# KiCad board SUMEC_MK_V.kicad_pcb (continued)
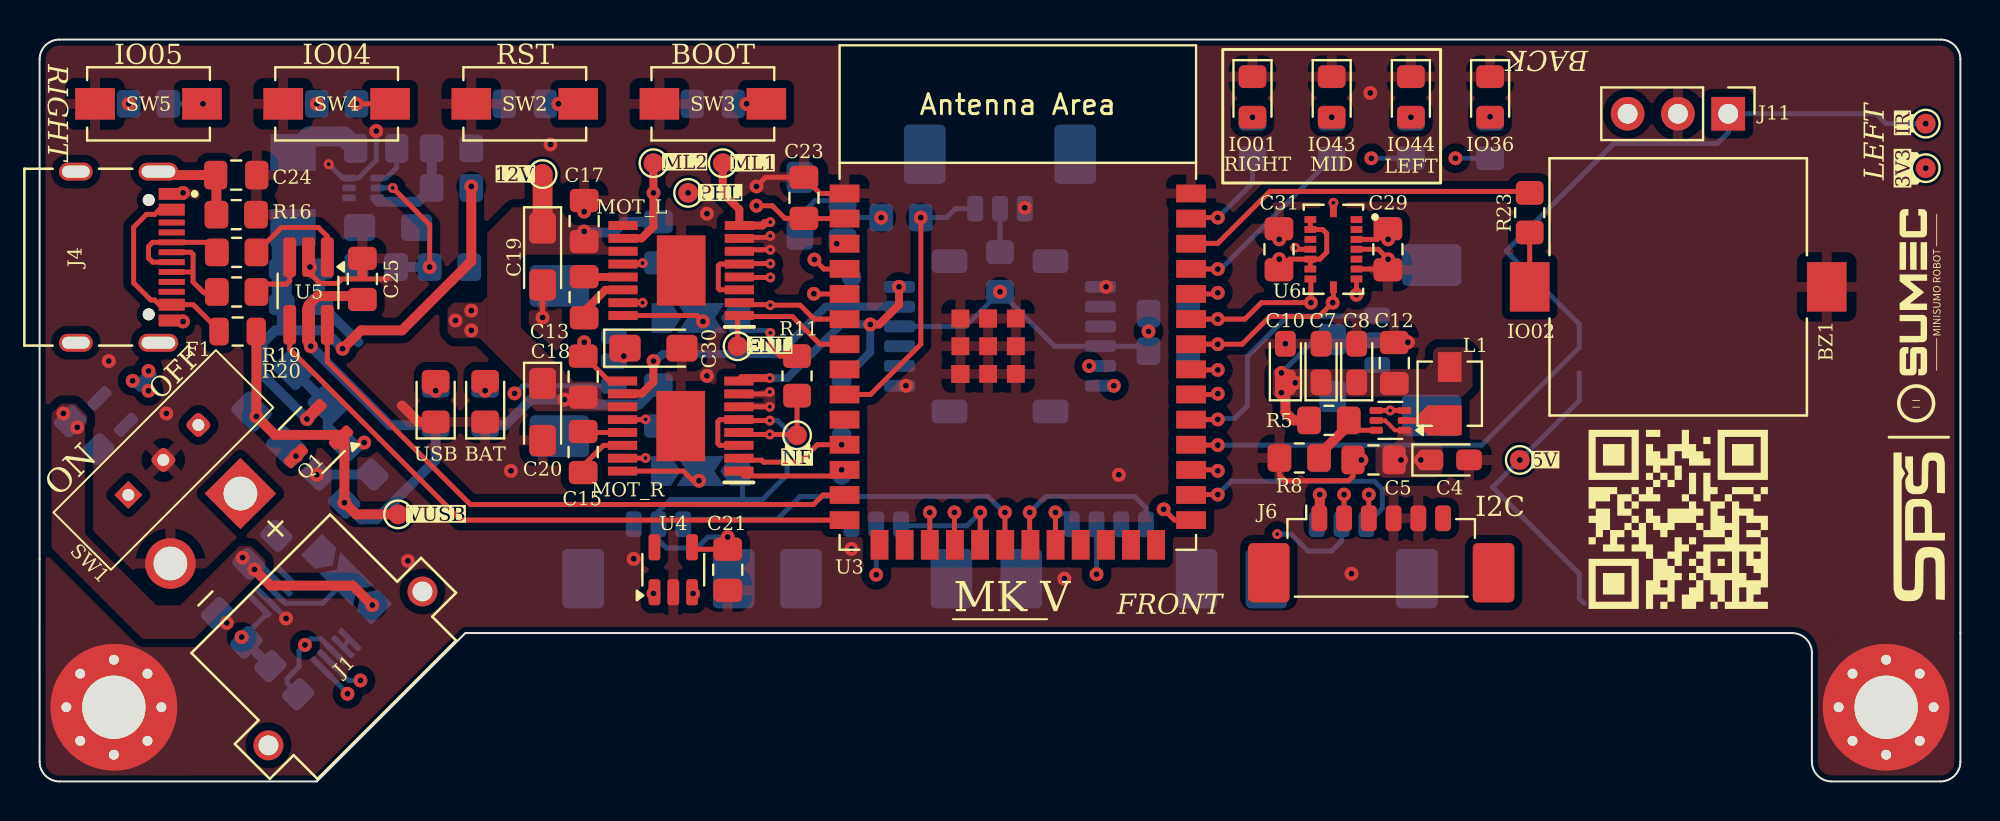
[diagram p0: board, top side]
## Footprints (pads in the part's own frame, mm; a bottom-side part is the same pattern mirrored in y, then rotated)
BUZZER_CUI_CPT
  rect 2.5x2 smd: 1(0,7.5) 2(0,-7.5)
C_0805_2012Metric_Pad1.18x1.45mm_HandSolder
  rrect 1.175x1.45 smd: 1(-1.038,0) 2(1.038,0)
CP_EIA-2012-12_Kemet-R_Pad1.30x1.05mm_HandSolder
  rrect 1.3x1.05 smd: 1(-0.975,0) 2(0.975,0)
CP_EIA-3216-18_Kemet-A_Pad1.58x1.35mm_HandSolder
  rrect 1.575x1.35 smd: 1(-1.438,0) 2(1.438,0)
Custom_SPDT_2.5_Switch
  rect 1x1 hole 0.6: 1(0,2.5)
  rrect 1x1 hole 0.6: 2(0,0) 3(0,-2.5)
D_1206_3216Metric_Pad1.42x1.75mm_HandSolder
  rrect 1.425x1.75 smd: 1(-1.488,0) 2(1.488,0)
DRV8874
  rect 1.475x0.45 smd: 1(-2.938,2.275) 2(-2.938,1.625) 3(-2.938,0.975) 4(-2.938,0.325) 5(-2.938,-0.325) 6(-2.938,-0.975) 7(-2.938,-1.625) 8(-2.938,-2.275) 9(2.938,-2.275) 10(2.938,-1.625) 11(2.938,-0.975) 12(2.938,-0.325) 13(2.938,0.325) 14(2.938,0.975) 15(2.938,1.625) 16(2.938,2.275)
  rect 2.46x3.55 smd: 17(0,0)
ESP32-S3-WROOM-1
  rect 1.5x0.9 smd: 1(-8.75,8.26) 2(-8.75,6.99) 3(-8.75,5.72) 4(-8.75,4.45) 5(-8.75,3.18) 6(-8.75,1.91) 7(-8.75,0.64) 8(-8.75,-0.63) 9(-8.75,-1.9) 10(-8.75,-3.17) 11(-8.75,-4.44) 12(-8.75,-5.71) 13(-8.75,-6.98) 14(-8.75,-8.25) 27(8.75,-8.25) 28(8.75,-6.98) 29(8.75,-5.71) 30(8.75,-4.44) 31(8.75,-3.17) 32(8.75,-1.9) 33(8.75,-0.63) 34(8.75,0.64) 35(8.75,1.91) 36(8.75,3.18) 37(8.75,4.45) 38(8.75,5.72) 39(8.75,6.99) 40(8.75,8.26)
  rect 0.9x1.5 smd: 15(-6.985,-9.5) 16(-5.715,-9.5) 17(-4.445,-9.5) 18(-3.175,-9.5) 19(-1.905,-9.5) 20(-0.635,-9.5) 21(0.635,-9.5) 22(1.905,-9.5) 23(3.175,-9.5) 24(4.445,-9.5) 25(5.715,-9.5) 26(6.985,-9.5)
  rect 0.9x0.9 smd: 41(-2.9,1.94) 41(-2.9,0.54) 41(-2.9,-0.86) 41(-2.9,-0.86) 41(-1.5,1.94) 41(-1.5,1.94) 41(-1.5,0.54) 41(-1.5,-0.86) 41(-0.1,1.94) 41(-0.1,0.54) 41(-0.1,-0.86)
Fuse_0805_2012Metric
  rrect 0.975x1.4 smd: 1(-0.938,0) 2(0.938,0)
HRO_TYPE-C-31-M-12
  round 0.6 hole 0.6 unplated: (-2.89,3.68) (2.89,3.68)
  rect 0.6x1.32 smd: A1_B12(-3.2,4.84) A4_B9(-2.4,4.84) B1_A12(3.2,4.84) B4_A9(2.4,4.84)
  rect 0.3x1.32 smd: A5(-1.25,4.84) A6(-0.25,4.84) A7(0.25,4.84) A8(1.25,4.84) B5(1.75,4.84) B6(0.75,4.84) B7(-0.75,4.84) B8(-1.75,4.84)
  oval 0.9x2 hole 0.6x1.7: S1(-4.325,4.17) S2(4.325,4.17)
  oval 0.9x1.7 hole 0.6x1.4: S3(-4.325,0) S4(4.325,0)
JST_SH_BM06B-SRSS-TB_1x06-1MP_P1.00mm_Vertical
  rrect 0.6x1.55 smd: 1(-2.5,-1.325) 2(-1.5,-1.325) 3(-0.5,-1.325) 4(0.5,-1.325) 5(1.5,-1.325) 6(2.5,-1.325)
  rrect 1.2x1.8 smd: MP(-3.8,1.2) MP(3.8,1.2)
L_Vishay_IHLP-1212
  rect 1.5x1.2 smd: 1(-1.35,0) 2(1.35,0)
L_Vishay_IHLP-1616
  rect 1.855x2.286 smd: 1(-1.892,0) 2(1.892,0)
LED_0805_2012Metric_Pad1.15x1.40mm_HandSolder
  rrect 1.15x1.4 smd: 1(-1.025,0) 2(1.025,0)
Molex_PicoBlade_53398-0371_1x03-1MP_P1.25mm_Vertical
  rrect 0.8x1.3 smd: 1(-1.25,1.25) 2(0,1.25) 3(1.25,1.25)
  rrect 2.1x3 smd: MP(-3.8,-1.5) MP(3.8,-1.5)
Molex_PicoBlade_53398-0471_1x04-1MP_P1.25mm_Vertical
  rrect 0.8x1.3 smd: 1(-1.875,1.25) 2(-0.625,1.25) 3(0.625,1.25) 4(1.875,1.25)
  rrect 2.1x3 smd: MP(-4.425,-1.5) MP(4.425,-1.5)
Molex_PicoBlade_53398-0671_1x06-1MP_P1.25mm_Vertical
  rrect 0.8x1.3 smd: 1(-3.125,1.25) 2(-1.875,1.25) 3(-0.625,1.25) 4(0.625,1.25) 5(1.875,1.25) 6(3.125,1.25)
  rrect 2.1x3 smd: MP(-5.675,-1.5) MP(5.675,-1.5)
MountingHole_3.2mm_M3_Pad_Via
  round 0.8 hole 0.5: 1(-2.4,0) 1(-1.697,1.697) 1(-1.697,-1.697) 1(0,2.4) 1(0,-2.4) 1(1.697,1.697) 1(1.697,-1.697) 1(2.4,0)
  round 6.4 hole 3.2: 1(0,0)
PinHeader_1x03_P2.54mm_Vertical
  rect 1.7x1.7 hole 1: 1(0,0)
  oval 1.7x1.7 hole 1: 2(0,-2.54) 3(0,-5.08)
PQFN50P450X300X100-16N
  rect 0.35x0.59 smd: 1(-1.5,1.165) 2(-1,1.165) 3(-0.5,1.165) 4(0,1.165) 5(0.5,1.165) 6(1,1.165) 7(1.5,1.165) 9(1.5,-1.165) 10(1,-1.165) 11(0.5,-1.165) 12(0,-1.165) 13(-0.5,-1.165) 14(-1,-1.165) 15(-1.5,-1.165)
  rect 0.59x0.35 smd: 8(1.915,0) 16(-1.915,0)
R_0805_2012Metric_Pad1.20x1.40mm_HandSolder
  rrect 1.2x1.4 smd: 1(-1,0) 2(1,0)
SolderJumper-3_P2.0mm_Open_TrianglePad1.0x1.5mm
  custom 1.5x1.5 smd: 1(-2,0) 3(2,0)
  custom 2.4x1.5 smd: 2(0,0)
SOT-23-3
  rrect 1.325x0.6 smd: 1(-1.137,0.95) 2(-1.137,-0.95) 3(1.137,0)
SOT-23-5
  rrect 1.325x0.6 smd: 1(-1.137,0.95) 2(-1.137,0) 3(-1.137,-0.95) 4(1.137,-0.95) 5(1.137,0.95)
SOT-563
  rrect 0.675x0.35 smd: 1(-0.713,0.5) 2(-0.713,0) 3(-0.713,-0.5) 4(0.713,-0.5) 5(0.713,0) 6(0.713,0.5)
SW_SPST_EVQPE1
  rect 2x1.6 smd: 1(-2.7,0) 2(2.7,0)
TestPoint_Pad_D1.0mm
  round 1 smd: 1(0,0)
TSOT-23-6_HandSoldering
  rrect 2x0.65 smd: 1(-1.71,0.95) 2(-1.71,0) 3(-1.71,-0.95) 4(1.71,-0.95) 5(1.71,0) 6(1.71,0.95)
VSSOP-10_3x3mm_P0.5mm
  rrect 1.45x0.3 smd: 1(-2.2,1) 2(-2.2,0.5) 3(-2.2,0) 4(-2.2,-0.5) 5(-2.2,-1) 6(2.2,-1) 7(2.2,-0.5) 8(2.2,0) 9(2.2,0.5) 10(2.2,1)
XT30PW-M
  round 2.55 hole 1.7: N(2.5,-10)
  rect 2.55x2.55 hole 1.7: P(-2.5,-10)
  round 1.508 hole 1: S1(5.5,0) S2(-5.5,0)

## Nets
+3V3: C1.2 C7.1 C8.1 C10.1 C12.1 C21.1 C22.1 C23.1 C28.1 C29.2 C30.1 C31.2 IC2.3 IC2.5 IC3.3 IC3.5 J2.4 J3.4 J5.3 J8.2 J9.2 J10.2 J11.3 J12.2 J13.2 JP2.1 JP3.1 L1.2 R4.1 R5.1 R11.2 R12.2 R13.2 R24.2 R25.1 R26.1 R27.1 R28.1 TP14.1 U1.6 U3.2 U4.4 U6.3 U6.7 U6.10 U6.11 U6.14 U6.15
+5V: C2.1 C4.1 C5.1 D1.1 D2.1 IC1.1 IC1.5 J6.1 TP12.1
+12V: C3.1 C14.2 C16.2 C17.2 C18.2 C19.1 C20.1 IC2.11 IC3.11 Q2.3 R6.1 R14.1 TP16.1 U2.1
GND: BZ1.2 C1.1 C2.2 C3.2 C4.2 C5.2 C7.2 C8.2 C9.2 C10.2 C11.2 C12.2 C17.1 C18.1 C19.2 C20.2 C21.2 C22.2 C23.2 C24.1 C25.2 C26.2 C27.2 C28.2 C29.1 C30.2 C31.1 D3.1 D4.1 D5.1 D6.1 D7.1 D8.1 H1.1 H2.1 IC1.3 IC1.4 IC2.6 IC2.7 IC2.9 IC2.15 IC2.17 IC3.6 IC3.7 IC3.9 IC3.15 IC3.17 J1.N J2.1 J3.1 J4.A1_B12 J4.B1_A12 J5.2 J6.4 J6.5 J7.3 J8.3 J9.3 J10.3 J11.2 J12.3 J13.3 JP2.3 JP3.3 R2.2 R7.2 R8.2 R10.2 R16.2 SW1.2 SW2.1 SW3.1 SW4.1 SW5.1 U1.1 U1.2 U1.7 U2.3 U3.1 U3.40 U3.41 U4.2 U5.2 U6.4 U6.6
VBATT: J1.P JP1.3 R1.1 U1.10
VBATT_SHUNT: JP1.1 Q2.2 R1.2 R3.1 U1.9
VBUS_INA226: JP1.2 U1.8
VBUS_USB: C25.1 D2.2 F1.1 Q1.1 R2.1 R15.1 TP13.1 U5.5
/CONNECTIVITY/SHLD: C24.2 J4.S1 J4.S2 J4.S3 J4.S4 R16.1
/POWER/FB_5V: R9.2 R10.1 U2.6
/POWER/FET_SW: Q2.1 R3.2 SW1.1
/POWER/SW: C6.1 L2.1 U2.2
ACC_INT: U3.32 U6.16
BOOT: C27.1 SW3.2 U3.27
BTN_IO04: R25.2 SW4.2 U3.4
BTN_IO05: R26.2 SW5.2 U3.5
BZ_IO02: R23.1 U3.38
D+: U3.14 U5.4
D-: U3.13 U5.6
D_NEG_IN: J4.A7 J4.B7 R19.1
D_POS_IN: J4.A6 J4.B6 R20.1
EN: C26.1 R24.1 SW2.2 U3.3
EN_L: IC2.1 TP15.1 U3.7
EN_R: IC3.1 TP18.1 U3.12
FB: IC1.6 R5.2 R8.1
GYR_INT: U3.33 U6.12
IR_MODULE: J11.1 TP19.1 U3.30
LED_IO01: R22.1 U3.39
LED_IO36: R21.1 U3.29
LED_IO43: U3.37
LED_IO44: R17.1 U3.36
LED_IO47: R18.1
MOTOR_L_1: IC2.8 J2.6 TP23.1
MOTOR_L_2: IC2.10 J2.5 TP24.1
MOTOR_R_1: IC3.8 J3.6 TP21.1
MOTOR_R_2: IC3.10 J3.5 TP22.1
nFAULT: IC2.4 IC3.4 R11.1 TP11.1
OUT_L_A: J2.3
OUT_L_B: J2.2
OUT_R_A: J3.3
OUT_R_B: J3.2
PH_L: IC2.2 TP17.1 U3.6
PH_R: IC3.2 TP20.1 U3.11
PMODE_1: IC2.16 JP2.2
PMODE_2: IC3.16 JP3.2
POL_L: J10.1 U3.28
POL_M: J9.1 U3.19
POL_R: J8.1 U3.20
QRE_BACK: J7.1 R27.2 U3.9
QRE_L: J5.4 U3.22
QRE_R: J5.1 U3.21
SCL: J6.3 R13.1 U1.5 U3.34 U4.1 U6.8
SDA: J6.2 R12.1 U1.4 U3.35 U4.3 U6.9
SHARP_L: J13.1 U3.31
SHARP_R: J12.1 U3.18
VOLTAGE_ALERT: R4.2 U1.3 U3.17
VOUT_5V: C9.1 C11.1 L2.2 Q1.2 R9.1
Net-(BZ1-+): BZ1.1 R23.2
Net-(D1-A): D1.2 Q1.3
Net-(D3-A): D3.2 R14.2
Net-(D4-A): D4.2 R15.2
Net-(D5-A): D5.2 R17.2
Net-(D6-A): D6.2 R18.2
Net-(D7-A): D7.2 R21.2
Net-(D8-A): D8.2 R22.2
Net-(F1-Pad2): F1.2 J4.A4_B9 J4.B4_A9
Net-(IC1-SW): IC1.2 L1.1
Net-(IC2-CPH): C13.2 IC2.13
Net-(IC2-CPL): C13.1 IC2.14
Net-(IC2-VCP): C14.1 IC2.12
Net-(IC3-CPH): C15.2 IC3.13
Net-(IC3-CPL): C15.1 IC3.14
Net-(IC3-VCP): C16.1 IC3.12
Net-(J7-Pin_2): J7.2 R28.2
Net-(R19-Pad2): R19.2 U5.1
Net-(R20-Pad2): R20.2 U5.3
Net-(U2-BST): C6.2 U2.4
Net-(U2-EN): R6.2 R7.1 U2.5

Pads without a net: J1 S1 S2; J2 MP; J3 MP; J4 A5 A8 B5 B8; J5 MP; J6 6 MP; J7 MP; J8 MP; J9 MP; J10 MP; J12 MP; J13 MP; SW1 3; U3 8 10 15 16 23 24 25 26; U4 5; U6 1 2 5 13

## Via types
v1: diameter 0.7, hole 0.3, Front.Cu to Back.Cu, 132 vias
v2: diameter 0.5, hole 0.2, Front.Cu to Back.Cu, 22 vias

## Routing (per net, layer and track width the routed paths; a pad name or vN(x,y) marks a point on that pad's centre or on a via; arc(x,y) is an arc through that point)
+3V3: length 93
  Front.Cu w0.25: 35.41,16.89 IC3.3 34.35,16.99 34.25,17.09 34.25,18.19 34.35,18.29 IC3.5 35.36,18.24 v2(36.88,18.24) ; v2(36.9,26.17) 35.36,26.17 ; U6.11 63.12,26.4 C31.2 ; U6.11 U6.10 ; U6.11 64.65,26.4 65,26.75 65,27.69 64.79,27.9 U6.14 U6.15 ; v1(29.5,21.5) 29.56,21.56 C30.1 ; U4.4 33.05,11.74 C21.1 v1(34.75,12.35) ; U6.3 67.55,27.4 C29.2 68.09,27.41 v1(68.1,27.4) ; v1(66.5,24.6) U6.7 ; R11.2 37.4,21.5 36.9,22 v2(36.9,22.67) ; U3.2 38.61,28.45 C23.1 37.64,28.46 37,29.1 v1(36.2,29.1) ; IC2.3 34.35,24.85 34.27,24.93 34.27,26.07 34.35,26.15 IC2.5
  Front.Cu w0.5: C10.1 62.91,18.66 63.32,18.25 R5.1
  In2.Cu w0.25: 36.12,26.17 v2(36.9,26.17) 37.88,26.17
  Back.Cu w0.25: U1.6 11.5,8.5 10.44,7.44 C1.2 10.44,7.06 v1(10.2,7.3) ; J13.2 65.34,22.3 C28.1 64.4,22.34 v1(62.71,20.65) ; J3.4 46.75,23 v1(48.5,24.75) 51.25,22 J2.4 55.75,22 R13.2 ; v2(36.9,22.67) 36.77,22.8 35.4,22.8 JP2.1 ; J5.3 v1(53.38,10.47) ; v1(4.5,34.25) 4.5,34 ; J10.2 65.75,12.15 65.25,11.65 64.05,11.65 63.2,12.5 v2(62.5,12.5) ; v1(42.5,28.5) 41.4,28.5 R24.2 39.15,29.35 38.4,28.6 C22.1 ; v1(34.75,12.35) 33.75,12.35 33.2,11.8 31.65,11.8 31.25,12.2 J8.2 31.25,13.65 31.85,14.25 36.5,14.25 37.75,15.5 37.75,17.75 37.26,18.24 v2(36.88,18.24) ; J9.2 v1(42.25,10.45) ; JP3.1 35.38,15.38 35.5,15.25 35.5,14.25
  Back.Cu w0.5: C1.2 R4.1
  vias: v1(14,34.25) v1(56,22.75) v1(62.6,26.4) v1(62.71,19.65) v1(63.41,20.15) v1(95.25,31)
+5V: length 91.8
  Front.Cu w0.2: IC1.1 68.45,17.75 67.95,18.25 IC1.5
  Front.Cu w0.5: v1(64.65,14.5) 64.65,13.32 J6.1
  In2.Cu w0.5: v1(16.39,17.13) 16.39,16.21 24.1,8.5 61.9,8.5 64.65,11.25 v1(64.65,14.5) 64.65,14.65 65.33,15.33 67.18,15.33 68.1,16.25 v1(74.75,16.25)
  Back.Cu w0.25: 78,9 77.75,9.25 77.75,10.5 73.38,14.88 v1(74.75,16.25) 77.75,19.25 77.75,20.65
  Back.Cu w0.5: v1(16.39,17.13) 16.25,16.98 C2.1 14.55,17.92 D1.1 D2.1
  vias: v1(68.75,16.25) v1(69.75,16.25)
+12V: length 16.7
  Front.Cu w0.5: 25.5,20 25.5,20.01 C20.1
  Front.Cu w1: TP16.1 C19.1
  Back.Cu w0.5: v1(27.5,27.8) 27.55,27.75 29,27.75 29.54,28.29 C14.2 ; C16.2 30.26,19.05 28.15,19.05 27.9,19.3 v1(26.5,19.3) 24.8,19.3 23.5,18 R14.1
  vias: v1(4.7,20.25) v1(5.5,20.75) v1(5.5,19.75) v1(21,23.3) v1(21.8,23.8) v1(21.8,22.8)
GND: length 54.9
  Front.Cu w0.25: 17.6,25.4 15.26,25.4 15.04,25.18 14.16,25.18 13.66,25.68 v1(13.66,26) 13.58,26.08 U5.2 ; C17.1 v1(27.5,28.8) ; IC3.7 36.78,19.59 v2(36.88,19.69) ; IC2.15 v2(30.45,24.2) ; v2(36.88,18.94) IC3.6 ; v1(36.2,30.08) 36.66,30.54 C23.2 39.42,29.72 U3.1 ; IC1.4 v2(68.2,18.75) IC1.3 ; C31.1 62.62,27.9 ; U6.6 67.5,25.9 67.54,25.86 C29.1 68.09,26.39 v1(68.1,26.4) 67.6,26.9 U6.4 ; IC3.15 30.59,16.34 v2(30.6,16.35) ; 66.46,16.25 66.32,16.11 66.32,15.42 66.1,15.2 62.9,15.2 62.61,15.49 R8.2 ; v2(36.9,27.58) 36.82,27.5 35.39,27.5 IC2.7 ; C12.2 69.09,22.19 v1(69.1,22.2) ; IC2.6 35.41,26.88 v2(36.9,26.88) ; v1(27.5,22.2) 27.5,21.5 28.76,20.24 IC3.9 ; C19.2 v1(25.4,23.45)
  Front.Cu w0.5: C25.2 16.3,25.6 ; 18.3,19 19.12,18.17 D4.1
  Back.Cu w0.25: U1.1 U1.2 ; v1(12.45,8.24) 12.45,8.26 U1.7 ; v2(14.6,31.2) 15.3,30.5 U2.3 16.1,30.5 17,31.4 v1(17,32.88)
  Back.Cu w0.5: C11.2 C9.2 14.2,24.1 16.1,22.2 ; 33,16.89 31.89,16.89 31.38,16.38 JP3.3 ; R2.2 16.8,15.52 C2.2
  vias: v1(3.49,21.25) v1(6.4,18.6) v1(7.24,29.75) v1(7.24,23.25) v1(9.45,8.01) v1(14,15.5) v1(18.6,11.15) v1(23.8,15.7) v1(25.8,32.2) v1(30,11.25) v1(33.7,28.7) v1(33.7,20.5) v1(41,11.75) v1(43.75,20) v1(49.75,29) v1(51.75,10.25) v1(53.85,25) v1(54.5,15.5) v1(62.6,27.4) v1(62.91,22.12) v1(66.25,10.5) v1(66.75,16.25) v1(67.2,34.8)
VBATT_SHUNT: length 8.8
  Front.Cu w0.5: v1(10.85,10.71) 11.66,9.9 15.81,9.9 v1(16.8,8.91)
  Back.Cu w0.25: R1.2 11.12,11.01 U1.9
  vias: v1(1.2,18.6) v1(1.9,17.9) v1(10.25,11.31)
VBUS_INA226: length 4.4
  Back.Cu w0.25: JP1.2 14.3,9.01 12.41,9.01 U1.8
VBUS_USB: length 37.1
  Front.Cu w0.5: C25.1 16.13,24.53 14.03,24.53 13.58,24.08 U5.5 ; U5.5 13.58,22.11 v1(13.7,22) ; U5.5 13.58,22.32 13.6,22.3 ; TP13.1 15.99,13.5 v1(15.39,14.09) 15.39,17.22 Q1.1 15.09,17.52 11.88,17.52 v1(10.95,18.45) 10.95,22.73 F1.1
  Back.Cu w0.5: v1(13.7,22) 17.69,18 R15.1 20,16.25 17,13.25 16.24,13.25 v1(15.39,14.09)
/CONNECTIVITY/SHLD: length 5
  Front.Cu w0.5: J4.S1 6.17,30.65 C24.2 8.93,30.61 R16.1
/POWER/FB_5V: length 5.1
  Back.Cu w0.5: 17.05,29.37 17.12,29.3 19.1,29.3 R9.2 R10.1
/POWER/SW: length 3.7
  Back.Cu w1: C6.1 15.36,32.6 13.61,32.6 L2.1
ACC_INT: length 13.9
  Front.Cu w0.25: v2(65.34,29.25) U6.16 ; U3.32 59.46,19.56 v1(59.5,19.6)
  In1.Cu w0.25: v2(65.34,29.25) 65.34,27.34 61,23 61,21.1 v1(59.5,19.6)
BOOT: length 37.9
  Front.Cu w0.25: U3.27 57.31,13.21 v1(56.76,13.76)
  In1.Cu w0.25: v1(56.76,13.76) 56.25,14.27 56.25,21.25 54.25,23.25 44,23.25 41,26.25 41,30 38,33 36.25,33 35.7,33.55 v1(35.7,34.25)
BTN_IO04: length 31.6
  Front.Cu w0.25: U3.4 40.64,25.9 39.61,25.9 v1(39.13,26.38) ; v1(16,34.25) SW4.2
  In1.Cu w0.25: v1(16,34.25) SW4.2 20.45,31.5 37,31.5 39.1,29.4 39.1,26.41 v1(39.13,26.38)
BTN_IO05: length 40.5
  Front.Cu w0.25: v1(39.1,24.65) 39.11,24.64 U3.5
  In1.Cu w0.25: v1(39.1,24.65) 38.25,25.5 38.25,29 36.5,30.75 21.5,30.75 21.25,30.5 18.15,30.5 18.07,30.58 17.6,30.58 17.52,30.5 12,30.5 v1(8.25,34.25)
  Back.Cu w0.25: v1(8.25,34.25) R26.2
BZ_IO02: length 18.3
  Front.Cu w0.25: U3.38 58.17,27.2 59.5,27.2 62.13,29.83 74.92,29.83 75.25,29.5
D+: length 32.8
  Front.Cu w0.25: U5.4 12.63,21.85 21.27,13.21 U3.14
D-: length 31.2
  Front.Cu w0.25: U3.13 39.56,14.48 39.08,14 21.75,14 14.53,21.22 U5.6
D_NEG_IN: length 5.6
  Front.Cu w0.25: J4.A7 5.71,26.25 5.5,26.46 5.5,27.04 5.71,27.25 J4.B7 8.5,27.25 9,26.75
D_POS_IN: length 5
  Front.Cu w0.25: 9,24.7 8.3,24.7 7.75,25.25 7.75,26.63 7.63,26.75 J4.A6 ; 7.63,25.75 J4.B6
EN: length 18.3
  In1.Cu w0.25: v1(40.25,27.18) 40.25,29.5 37.5,32.25 28.2,32.25 v1(26.2,34.25)
EN_L: length 7.5
  Front.Cu w0.25: U3.7 39.41,22.1 38.01,23.5 35.39,23.5 IC2.1 35.25,23.46 TP15.1
EN_R: length 5.6
  Front.Cu w0.25: U3.12 40.34,15.44 35.56,15.44 IC3.1
  vias: v1(40.5,15.75)
FB: length 4.1
  Front.Cu w0.25: R5.2 66.61,17.75 IC1.6
  Front.Cu w0.5: R5.2 66.11,18.01 64.61,16.51 R8.1
GYR_INT: length 10.1
  Front.Cu w0.25: U3.33 58.18,20.8 59.4,20.8 59.5,20.9 ; v2(63.4,26.98) 63.48,26.9 U6.12
  In1.Cu w0.25: v2(63.4,26.98) 63.4,26.25 62.88,25.72 62.6,25.72 60.18,23.3 60.18,21.48 59.6,20.9 59.5,20.9
  vias: v1(59.5,20.8)
IR_MODULE: length 52.9
  Front.Cu w0.25: v1(59.5,17) 58.17,17 U3.30
  Back.Cu w0.25: v1(95.25,33.25) 93.25,33.25 92.75,33.75 J11.1 85.28,32.8 84.72,32.25 79.5,32.25 74.06,26.81 77.75,23.12 77.75,21.92 72.82,17 v1(59.5,17)
LED_IO01: length 5.1
  Front.Cu w0.25: U3.39 58.2,28.5 v1(59.5,28.5)
  Back.Cu w0.25: v1(59.5,28.5) 61.25,30.25 R22.1
LED_IO36: length 24.5
  Front.Cu w0.25: U3.29 59.45,15.75 v1(59.5,15.7)
  In1.Cu w0.25: v1(59.5,15.7) 60.5,16.7 60.5,19.58 61.75,20.83 61.75,22.71 70.54,31.5 v1(71.5,31.5)
  Back.Cu w0.25: v1(71.5,31.5) R21.1
LED_IO44: length 14.4
  Front.Cu w0.25: U3.36 59.44,24.64 v1(59.5,24.7)
  In1.Cu w0.25: v1(59.5,24.7) 60.25,25.45 60.25,26.25 65.5,31.5 v1(67.25,31.5)
  Back.Cu w0.25: R17.1 v1(67.25,31.5)
LED_IO47: length 9.4
  Front.Cu w0.25: 58.15,25.91 58.16,25.9 v1(59.5,25.9)
  Back.Cu w0.25: v1(59.5,25.9) 59.65,25.9 R18.1
MOTOR_L_1: length 28.5
  Front.Cu w0.4: TP23.1 34.5,29.75 35.34,28.91 IC2.8 36.5,28.1 36.63,28.23 36.85,28.23 v2(36.9,28.28)
  In1.Cu w0.4: v1(54.25,20) 54.25,21.25 53.5,22 40.25,22 37.55,24.7 37.55,27.84 37.12,28.28 v2(36.9,28.28)
MOTOR_L_2: length 32.1
  Front.Cu w0.4: TP24.1 v1(31,29.75) 31,28.05 30.4,27.45 IC2.10
  In1.Cu w0.4: v1(31,29.75) 31,27.18 37.18,21 v1(53,21)
MOTOR_R_1: length 14.1
  Front.Cu w0.4: v1(41.95,23.1) 42.4,23.1 43.4,24.1 v1(43.4,25) ; v2(36.88,20.39) 35.46,20.39 IC3.8
  Back.Cu w0.4: v2(36.88,20.39) 37.76,20.39 40.47,23.1 v1(41.95,23.1) 41.95,21.7 TP21.1 ; v1(43.4,25) J3.6
MOTOR_R_2: length 17.9
  Front.Cu w0.4: IC3.10 29.46,19.61 30.41,19.61 31,20.2 v1(31,21.25)
  Back.Cu w0.4: 41,24 TP22.1 ; 41,24 J3.5 ; 41,24 39.7,24 37.3,21.6 31.45,21.6 31.1,21.25 v1(31,21.25)
nFAULT: length 15.4
  Front.Cu w0.25: v2(36.9,25.47) 35.36,25.47 IC2.4 ; 38.21,17.54 v2(36.88,17.54) 35.41,17.54 IC3.4 ; R11.1 TP11.1
  In2.Cu w0.25: v2(36.88,17.54) 36.99,17.54 38,18.55 38,24.37 v2(36.9,25.47)
PH_L: length 13.1
  Front.Cu w0.25: IC2.2 35.44,24.1 36.87,24.1 v2(36.9,24.07) 38.4,24.07 39.11,23.37 U3.6
  In1.Cu w0.25: v1(32.75,29.75) 32.75,28.11 36.79,24.07 v2(36.9,24.07)
PH_R: length 5.8
  Front.Cu w0.25: v1(40.5,17.02) 39.27,17.02 38.39,16.14 36.56,16.14 36.46,16.24 35.41,16.24 IC3.2
  Front.Cu w0.4: U3.11 v1(40.5,17.02)
PMODE_1: length 4.4
  Front.Cu w0.25: v1(33.5,23.25) 33.2,23.55 IC2.16
  Back.Cu w0.25: JP2.2 33.5,23.33 v1(33.5,23.25)
PMODE_2: length 4.1
  Front.Cu w0.25: IC3.16 32.51,15.69 33,15.2 v1(33.3,15.2)
POL_L: length 12.2
  Front.Cu w0.25: v1(59.5,14.5) 58.17,14.5 U3.28
  Back.Cu w0.25: v1(59.5,14.5) 60.18,15.18 67.41,15.18 67.8,14.78 67.8,13.8 J10.1
POL_M: length 6
  Front.Cu w0.25: U3.19 47.5,11.97 v1(47.5,13.6)
  Back.Cu w0.25: J9.1 43.58,12.92 46.82,12.92 v1(47.5,13.6)
POL_R: length 18.8
  Front.Cu w0.25: 48.76,11.96 48.75,11.97 48.75,13.55 48.7,13.6
  Back.Cu w0.25: 48.7,13.6 47.9,14.4 38.4,14.4 37.25,13.25 32.75,13.25 J8.1
  vias: v1(48.75,13.6)
QRE_BACK: length 14.2
  Front.Cu w0.25: U3.9 41.96,19.56 44.5,22.1 v1(44.5,28.5)
  Back.Cu w0.25: J7.1 46.25,28.95 45.8,28.5 v1(44.5,28.5)
QRE_L: length 3
  Front.Cu w0.25: v1(51.3,13.6) 51.3,11.97 U3.22
  Back.Cu w0.25: 51.3,13.53 52.12,13.53 J5.4
QRE_R: length 8.9
  Front.Cu w0.25: v1(50,13.6) 50,12 U3.21
  Back.Cu w0.25: v1(50,13.6) 50.8,14.4 55.3,14.4 55.88,13.83 J5.1
SCL: length 80.4
  Front.Cu w0.25: v1(67.12,14.5) J6.3 ; U3.34 v1(59.5,22.1) 60.72,22.1 62.12,23.5 64.6,23.5 v1(65.3,24.2) 65.34,24.24 U6.8
  In1.Cu w0.25: v1(15.55,4.43) 15.68,4.3 17.2,4.3 22.4,9.5 v1(31,9.5) 31.68,8.82 61.45,8.82 v1(67.12,14.5) 65.3,16.33 v1(65.3,24.2)
  Back.Cu w0.25: U1.5 15.55,4.45 v1(15.55,4.43) ; v1(59.5,22.1) 58.35,22.1 R13.1
SDA: length 77
  Front.Cu w0.25: U6.9 64.2,25.37 v1(64.2,24.2) 61.7,24.2 60.87,23.37 v1(59.5,23.37) U3.35 ; v1(65.88,14.5) J6.2
  In1.Cu w0.25: v1(16.2,5.1) 16.8,5.1 21.95,10.25 32.25,10.25 v1(33,9.5) 60.88,9.5 v1(65.88,14.5) 64.2,16.17 v1(64.2,24.2)
  Back.Cu w0.25: U1.4 15.6,5.1 v1(16.2,5.1) ; R12.1 58.28,23.37 v1(59.5,23.37)
SHARP_L: length 13
  Front.Cu w0.25: v1(59.5,18.3) 59.49,18.29 U3.31
  Back.Cu w0.25: J13.1 67.52,23.52 63.02,23.52 61,21.5 61,19 60.35,18.35 59.5,18.35
SHARP_R: length 32.5
  Front.Cu w0.25: U3.18 46.2,11.98 v1(46.2,13.6)
  In1.Cu w0.25: v1(46.2,13.6) 45.4,14.4 27.5,14.4 24,17.9 24,19.6 v1(23.98,19.62)
  Back.Cu w0.25: v1(23.98,19.62) 24.02,19.62 24.4,20 J12.1
VOLTAGE_ALERT: length 41.1
  Front.Cu w0.25: 44.95,11.96 v1(44.95,13.6)
  In1.Cu w0.25: v1(44.95,13.6) 20.1,13.6 v1(13.4,6.9)
  Back.Cu w0.25: U1.3 14.21,7.2 13.7,7.2 13.1,6.6 13.1,5.8 12.5,5.2 12.5,4.96 R4.2
VOUT_5V: length 27
  Front.Cu w0.5: v1(21.8,30.08) 21.8,26.3 18.3,22.8 16.23,22.8 15.3,21.87
  Back.Cu w0.5: R9.1 v1(21.8,30.08) ; v1(13.5,18.32) 11.25,20.57 11.25,22.15 11.9,22.8 12.22,22.8 ; 12.22,22.8 14.37,22.8 15.2,21.97 ; 12.22,22.8 C9.1
  Back.Cu w1: L2.2 12.22,27.43 C9.1
  vias: v1(15.3,21.87)
Net-(BZ1-+): length 2.5
  Front.Cu w0.25: BZ1.1 75.25,27.5
Net-(D1-A):
  vias: v1(12.95,16.45)
Net-(D3-A): length 0.5
  Front.Cu w0.5: 22.5,20.22 v1(22.5,19.75)
Net-(D4-A): length 0.5
  Front.Cu w0.5: 19.6,20.3 19.6,19.83
  vias: v1(20,19.75)
Net-(D5-A): length 0.1
  Back.Cu w0.5: v1(69.25,33.58) R17.2
Net-(D6-A): length 0.1
  Back.Cu w0.5: v1(65.25,33.58) R18.2
Net-(D7-A): length 0.1
  Front.Cu w0.25: v1(73.25,33.6) D7.2
  Back.Cu w0.25: R21.2 v1(73.25,33.6)
Net-(D8-A): length 0.1
  Back.Cu w0.5: v1(61.25,33.58) R22.2
Net-(F1-Pad2): length 10.4
  Front.Cu w0.25: J4.A4_B9 6.05,28.9 5.81,28.66 5.4,28.66 4.75,28.02 4.75,25.2 5.61,24.34 5.81,24.34 6.05,24.1 J4.B4_A9 7.75,24.1 9.06,22.79
Net-(IC2-CPH): length 2
  Front.Cu w0.4: IC2.13 27.51,25.5
  Front.Cu w0.45: 27.51,25.5 C13.2
Net-(IC2-CPL): length 2.7
  Front.Cu w0.4: IC2.14 28.58,24.85 27.5,23.77 C13.1
Net-(IC2-VCP): length 1
  Front.Cu w0.25: IC2.12 30.4,26.15 v2(30.45,26.2)
Net-(IC3-CPH): length 1.9
  Front.Cu w0.25: 27.5,17.65 27.51,17.64 IC3.13
Net-(IC3-CPL): length 2.8
  Front.Cu w0.25: IC3.14 28.47,16.99 27.5,16.02 27.5,15.58
Net-(IC3-VCP): length 2
  Front.Cu w0.25: IC3.12 30.59,18.29 v2(30.6,18.3)
  Back.Cu w0.25: C16.1 30.91,18.3 v2(30.6,18.3)
Net-(J7-Pin_2): length 2.2
  Back.Cu w0.25: J7.2 R28.2
Net-(R19-Pad2): length 5.3
  Front.Cu w0.25: R19.2 12.21,28 14.08,28 14.53,27.55 U5.1
Net-(R20-Pad2): length 2.9
  Front.Cu w0.25: 12.63,26.33 12.63,25.3 12.47,25.14 11.44,25.14 11,24.7
Net-(U2-BST): length 2.2
  Back.Cu w0.25: U2.4 17.5,30.5 18.04,31.04 C6.2
Net-(U2-EN): length 7.3
  Front.Cu w0.25: v2(17.83,30) 19.7,28.13 v1(19.7,26)
  Back.Cu w0.25: v2(17.83,30) U2.5
  Back.Cu w0.5: v1(19.7,26) R6.2

## Copper pours and planes (outline as drawn; the poured copper is in the pictures)
+3V3 on Front.Cu: 70.56,21.95 70.36,21.75 70.36,21.25 69.96,20.85 62.36,20.85 62.26,20.75 62.26,19.55 62.36,19.45 71.86,19.45 72.36,19.95 72.36,21.65 72.06,21.95
+3V3 on In2.Cu: 97,0 89.5,0 89.5,7.5 21.5,7.5 14,0 0,0 0,37.5 97,37.5
+5V on Front.Cu: 69.36,17.95 69.36,17.25 69.56,17.05 70.66,17.05 70.86,16.85 70.86,15.65 70.56,15.35 67.76,15.35 67.46,15.65 67.46,16.85 67.66,17.05 68.36,17.05 68.56,17.25 68.56,17.95
+12V on Front.Cu: 30.18,18.71 25.08,18.71 24.53,19.26 24.53,20.91 26.28,20.91 26.98,20.21 28.18,20.21 28.38,20.01 28.38,19.41 28.68,19.11 30.18,19.11
+12V on Front.Cu: 24.3,22.95 26.5,20.75 26.5,19.42 26.3,19.22 24.75,19.22 24.55,19.42 24.55,20.08 22.6,22.03 22.6,27.73 23.9,29.02 26.1,29.02 26.3,28.83 26.3,27.12 25.8,26.62 24.47,26.62 24.3,26.45
+12V on Front.Cu: 20.9,24.2 20.6,23.9 20.6,22.7 20.9,22.4 22.22,22.4 22.6,22.03 22.6,24.5 22.3,24.2
+12V on Front.Cu: 30.2,26.62 25.1,26.62 24.55,27.17 24.55,28.83 26.3,28.83 27,28.12 28.2,28.12 28.4,27.92 28.4,27.33 28.7,27.02 30.2,27.02
+12V on Back.Cu: 15.3,25.3 15.3,24 16.9,22.4 22.2,22.4 22.5,22.7 22.5,23.9 22.1,24.3 17.7,24.3 16.4,25.6 15.6,25.6
+12V on Back.Cu: 16.1,29.4 16.1,29.2 16.7,28.6 17.1,28.6 17.3,28.4 17.3,26.7 16.9,26.3 16.9,25.1 16.7,24.9 15.4,24.9 15.3,25 15.3,29.4 15.4,29.5 16,29.5
+12V on Back.Cu: 4.4,20 4.4,20.7 5,21.3 5.7,21.3 6.3,20.7 6.3,20.1 5.6,19.4 5,19.4
+12V on In2.Cu: 21.1,24.3 20.7,23.9 20.7,23.6 20.3,23.2 17.6,23.2 15.65,21.25 4.85,21.25 4.3,20.7 4.3,19.9 4.9,19.3 5.8,19.3 6.05,19.55 16.35,19.55 18.3,21.5 21.4,21.5 22.3,22.4 22.3,24 22,24.3
GND on Front.Cu, Back.Cu: 14.25,0 21.75,7.5 88.75,7.5 89.75,6.5 89.75,0 97.25,0 97.25,37.5 0,37.5 0,0
GND on Front.Cu, Back.Cu: 7.5,0 0,0 0,7.5 0.4,7.9 5.4,7.9 7.5,5.8
GND on Front.Cu, Back.Cu: 97,7.6 91,7.6 89.5,6.1 89.5,0 96.2,0 97,0.8
VBATT on Back.Cu: 8,14.42 9.56,12.81 10.26,12.66 12.05,10.95 11.85,10.71 12.75,9.81 13,9.81 15,11.81 15,12.51 10.5,17.01 10.1,17.01 8,14.91
VBATT_SHUNT on Front.Cu: 7.1,8.9 5.9,8.9 2.3,12.5 2.3,18 2.4,18.1 2.4,18.5 1.8,19.1 1.1,19.1 0.6,18.6 0.6,11.8 5.2,7.2 7.8,7.2 11.4,10.8 11.4,11.2 10.7,11.9 10.1,11.9
VBATT_SHUNT on Back.Cu: 2.6,20.6 3.4,20.6 4,20 4,19.4 1.7,17.1 1.1,17.1 0.4,17.8 0.4,18.4
/CONNECTIVITY/SHLD on Back.Cu: 7,21.5 0.9,21.5 0.9,31.35 7,31.35
/POWER/FET_SW on Back.Cu: 1.8,16.1 1.8,16.7 4.3,19.2 4.8,19.2 5.5,18.5 5.5,18 4.4,16.9 4.4,16.2 5.6,15 5.6,14.4 4.8,13.6 4.3,13.6
/POWER/SW on Back.Cu: 15.9,30.2 16,30.1 16,29.9 15.9,29.8 12,29.8 11.7,30.1 11.7,31.7 13.9,31.7 13.9,30.9 14.6,30.2
Net-(IC1-SW) on Front.Cu (solid shape): 70.1,19 71.6,19 71.6,17.5 70.1,17.5
Net-(IC1-SW) on Front.Cu (solid shape): 68.9,18.4 69.5,18.4 70.1,19 70.1,17.5 69.5,18.1 68.9,18.1

Small or netless copper shapes (teardrops, artwork), in the pictures only: 1 on Back.Cu

## Text on the board
B.Silkscreen: PHR | ENL | MR1 | MR2 | SHARP RIGHT | POL RIGHT | POL MID | QRE BOARD | POL LEFT | made by: bismarx / (Savva Popov) | MOT RIGHT | MOT LEFT | SHARP LEFT
User.Comments: F.Silkscreen | F.Paste | F.SolderMask | Front.Cu | Dielectric | In1.Cu | In2.Cu | Back.Cu | B.SolderMask | B.Paste | B.Silkscreen | Top Silk Screen | Top Solder Paste | Top Solder Mask | copper | prepreg | core | Bottom Solder Mask | Bottom Solder Paste | Bottom Silk Screen | Not specified | FR4 | 0 mm | 0.01 mm | 0.035 mm | 0.1 mm | 1.24 mm | FR4 natural | 1 | 3.3 | 4.5 | 0 | 0.02 | Layer Name | Type | Material | Thickness (mm) | Color | Epsilon R | Loss Tangent
User.Drawings: Copper Layer Count: | Board overall dimensions: | Min track/spacing: | Copper Finish: | Castellated pads: | Edge card connectors: | 4 | 97,0000 mm x 37,5000 mm | 0,0900 mm / 0,0900 mm | HAL lead-free | No | Board Thickness: | Min hole diameter: | Impedance Control: | Plated Board Edge: | 1,6000 mm | 0,1000 mm | BOARD CHARACTERISTICS | FRONT | BACK | RIGHT | LEFT
F.Silkscreen: VUSB | 12V | MOT_R | MOT_L | ML2 | PHL | ML1 | ENL | NF | 5V | IR | 3V3 | USB | BAT | IO01 | RIGHT | IO43 | MID | IO44 | LEFT | IO36 | IO02 | IO05 | IO04 | RST | BOOT | I2C | OFF | FRONT | BACK | ON | MK V
